# Altium PCB PCB SOM AM625.PcbDoc (part 4 of 6)
Units mm, origin at the board's own origin, x right, y up, seen from the top; angles counter-clockwise.
Board outline 92 x 91 mm, 6 copper layers (Top Layer, Layer 1, Layer 3, Layer 4, Layer 2, Bottom Layer), stack 1.56 mm thick; 480 components, 371 nets, 1721 pads, 738 vias.
Unrouted connection lines stored in the file: 13.
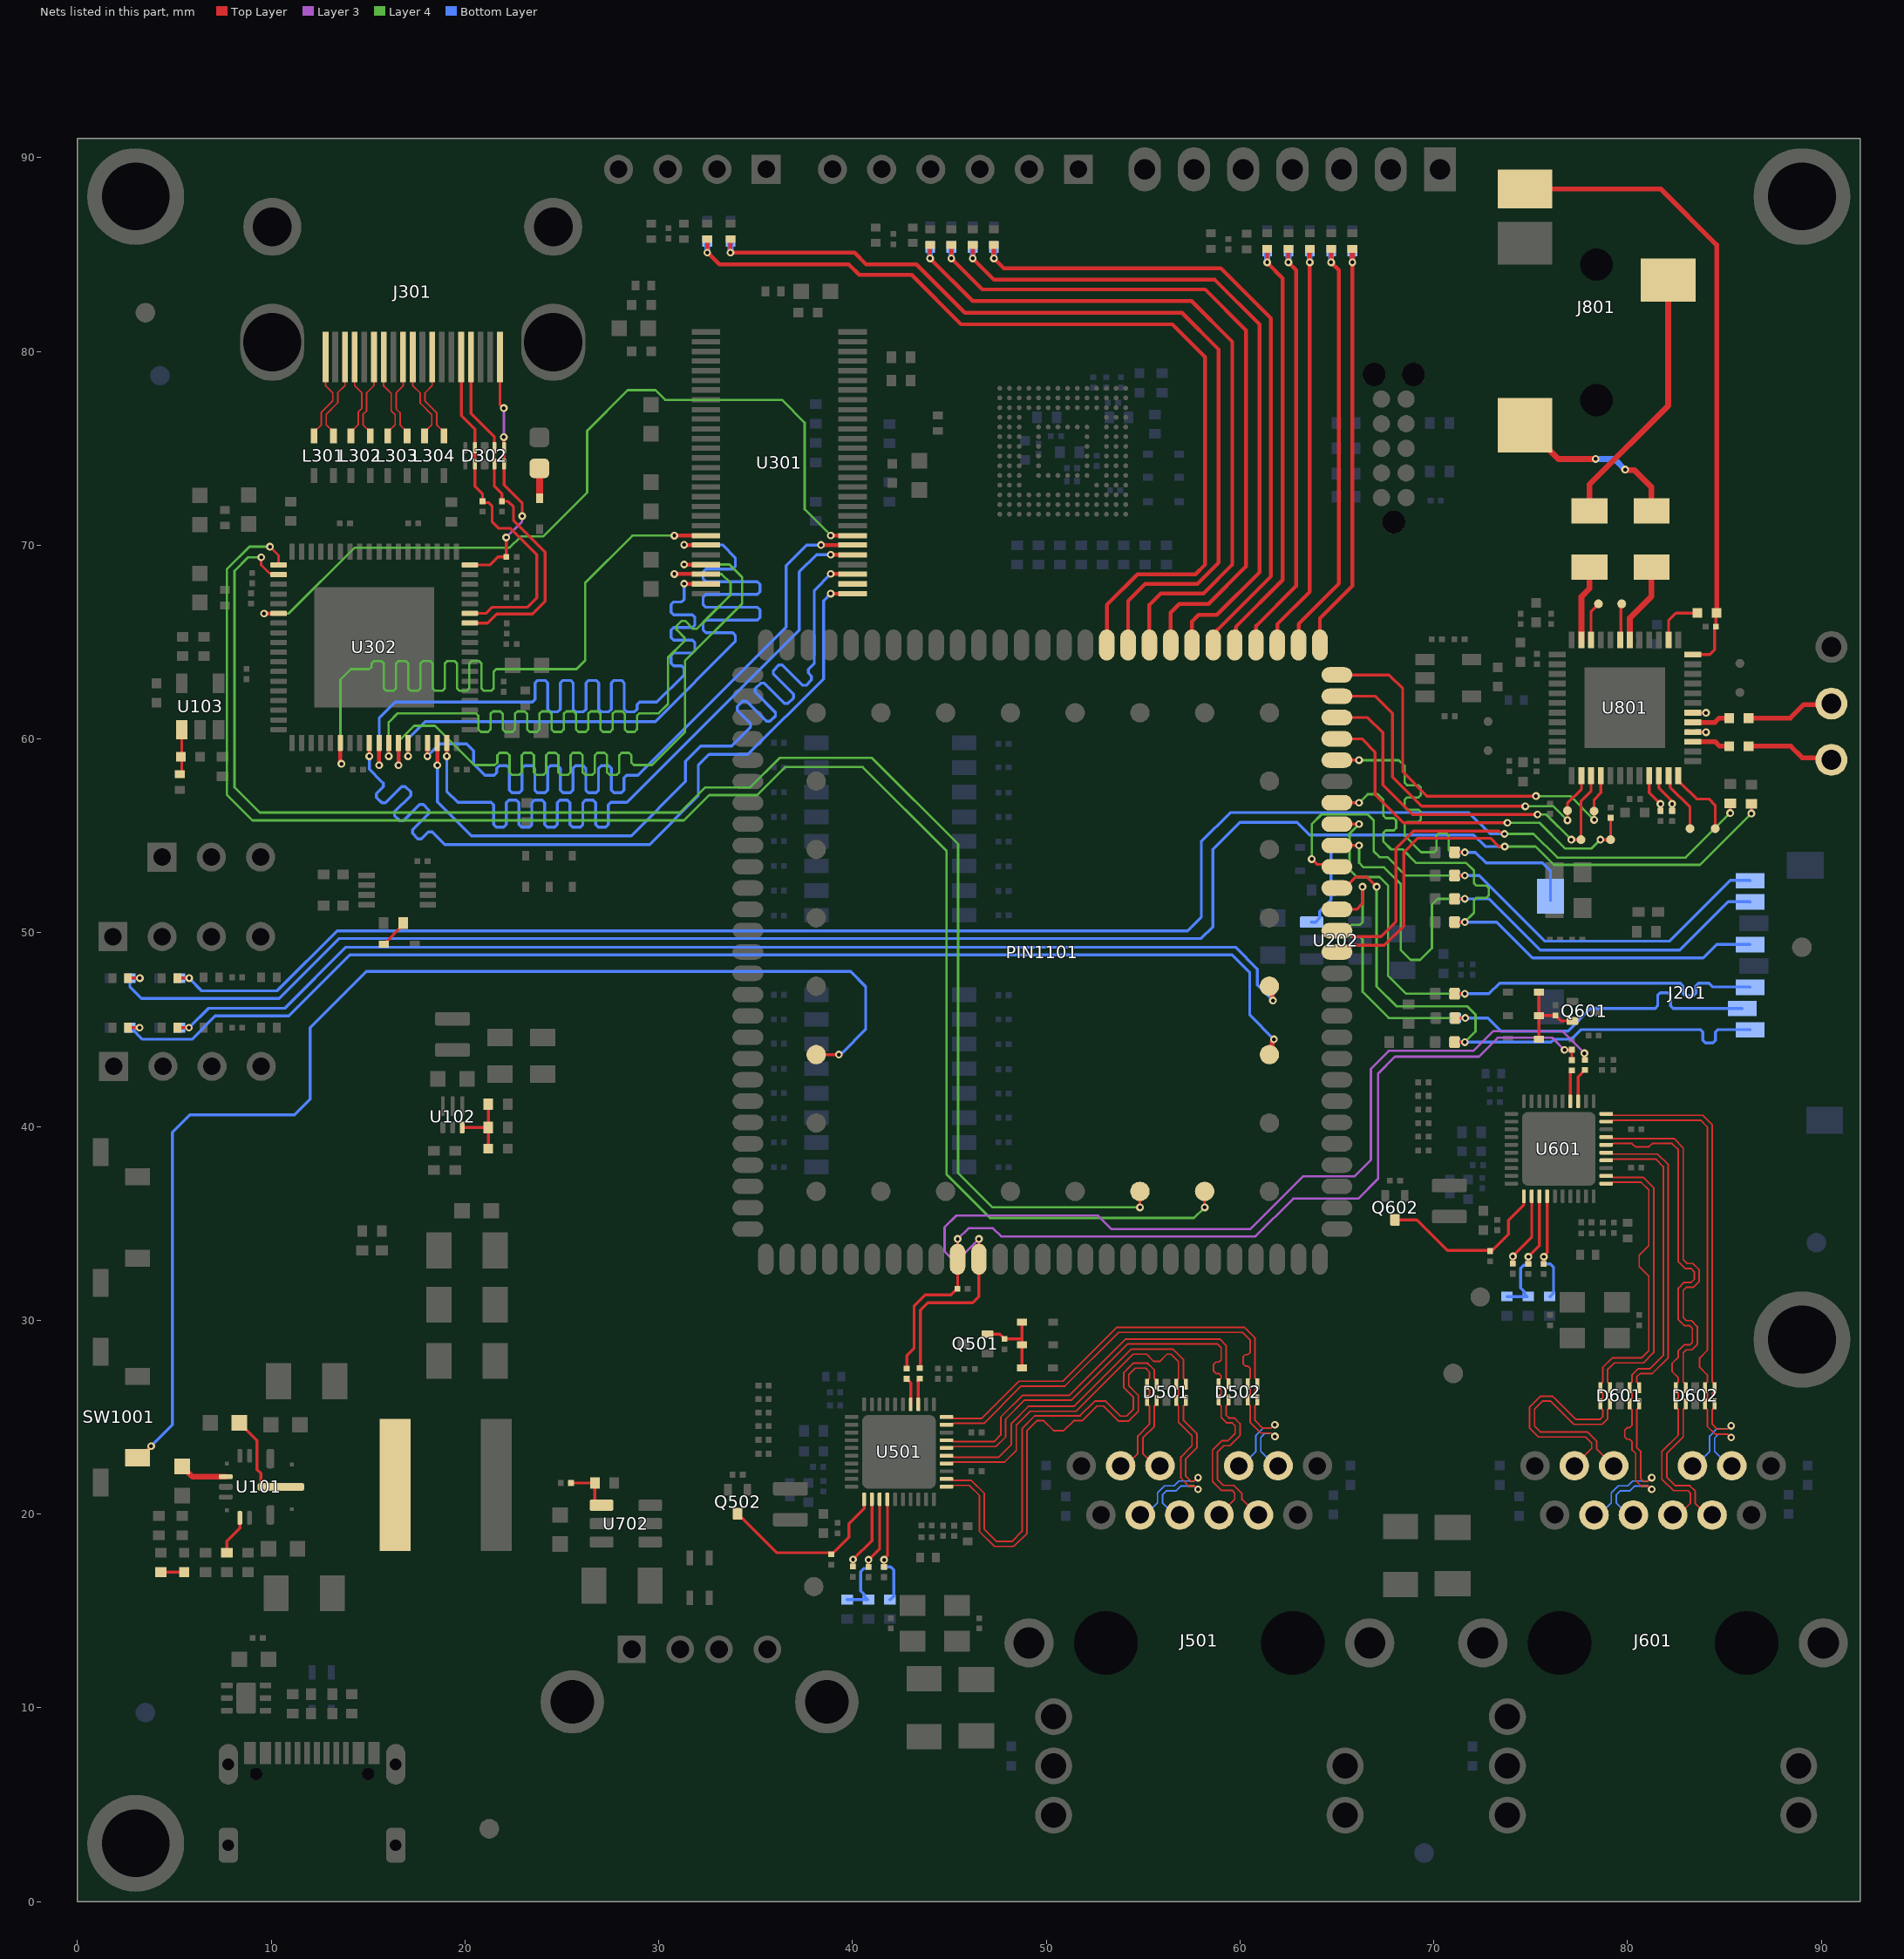
[diagram p8: the nets of this part, all layers, seen from the top]

## Via types
v1: diameter 0.4, hole 0.2, Top Layer to Bottom Layer, tented both sides, 695 vias
v2: diameter 0.8, hole 0.4, Top Layer to Bottom Layer, tented both sides, 40 vias
v3: diameter 0.6, hole 0.3, Top Layer to Bottom Layer, tented both sides, 3 vias

## Nets (pads, with @x,y where several pads share a name; then routed paths per layer and width w, separated by ;. In a path a pad name is that pad's centre, name@x,y a point inside that pad or via, vN(x,y) a via of type N, cw(c..) or ccw(c..) an arc to the next point about the centre after c; other vN are vias at no path point) (continued)
HDMI_D17: U301.50 U302.24 | length 43.5
  Top Layer w0.2: U302.24@13.56,59.796 13.56,58.83 13.616,58.775 v1(13.616,58.721) ; v1(30.801,70.494) 30.802,70.495 U301.50@32.431,70.495 U301.50@32.432,70.496
  Layer 4 w0.122: v1(13.616,58.721) 13.566,58.77 13.566,63.066 14.1,63.6 14.989,63.6 15.05,63.6 15.176,63.726 15.176,63.895 15.302,64.021 15.68,64.021 15.806,63.895 15.806,62.614 15.932,62.488 16.31,62.488 16.436,62.614 16.436,63.895 16.562,64.021 16.94,64.021 17.066,63.895 17.066,62.614 17.192,62.488 17.57,62.488 17.696,62.614 17.696,63.895 17.822,64.021 18.2,64.021 18.326,63.895 18.326,62.614 18.452,62.488 18.83,62.488 18.956,62.614 18.956,63.895 19.082,64.021 19.46,64.021 19.586,63.895 19.586,62.614 19.712,62.488 20.09,62.488 20.216,62.614 20.216,63.895 20.342,64.021 20.72,64.021 20.846,63.895 20.846,62.614 20.972,62.488 21.35,62.488 21.475,62.614 21.475,63.474 21.601,63.6 21.93,63.6 25.75,63.6 26.2,64.05 26.2,68.05 28.644,70.494 v1(30.801,70.494)
HDMI_D18: U301.51 U302.31 | length 43.1
  Top Layer w0.15: v1(17.055,59.111) 17.06,59.116 U302.31@17.06,59.796 U302.31@17.065,59.801
  Top Layer w0.2: v1(31.307,70.02) 31.315,70.012 U301.51@32.431,70.012 U301.51@32.438,70.005
  Bottom Layer w0.15: v1(17.055,59.111) 17.055,60.006 17.95,60.9 29.825,60.9 33.95,65.025 33.95,65.275 33.95,65.35 33.818,65.482 32.421,65.482 32.289,65.613 32.289,66.008 32.421,66.14 35.086,66.14 35.217,66.271 35.217,66.666 35.086,66.798 32.421,66.798 32.289,66.929 32.289,67.324 32.421,67.456 35.086,67.456 35.217,67.587 35.217,67.982 35.086,68.114 32.421,68.114 32.289,68.245 32.289,68.64 32.421,68.772 33.818,68.772 33.95,68.903 33.95,69.05 33.95,69.35 33.28,70.02 v1(31.307,70.02)
HDMI_D19: U301.53 U302.30 | length 43.5
  Top Layer w0.2: U302.30@16.56,59.796 16.563,59.793 16.563,58.648 v1(16.566,58.645) ; v1(31.307,69.004) 31.315,68.996 U301.53@32.431,68.996 U301.53@32.438,68.989
  Layer 4 w0.122: v1(16.566,58.645) 16.566,59.866 17.375,60.675 18.45,60.675 20.475,58.65 21.475,58.65 21.536,58.65 21.662,58.776 21.662,59.157 21.788,59.283 22.166,59.283 22.292,59.157 22.292,58.276 22.418,58.15 22.796,58.15 22.922,58.276 22.922,59.157 23.048,59.283 23.426,59.283 23.552,59.157 23.552,58.276 23.678,58.15 24.056,58.15 24.182,58.276 24.182,59.157 24.308,59.283 24.686,59.283 24.812,59.157 24.812,58.276 24.938,58.15 25.315,58.15 25.441,58.276 25.441,59.157 25.567,59.283 25.945,59.283 26.071,59.157 26.071,58.276 26.197,58.15 26.575,58.15 26.701,58.276 26.701,59.157 26.827,59.283 27.205,59.283 27.331,59.157 27.331,58.276 27.457,58.15 27.835,58.15 27.961,58.276 27.961,59.157 28.087,59.283 28.465,59.283 28.591,59.157 28.591,58.776 28.717,58.65 29.075,58.65 29.65,58.65 31.35,60.35 31.35,64.025 34.3,66.975 34.3,68.35 33.646,69.004 v1(31.307,69.004)
HDMI_D20: U301.54 U302.29 | length 43.5
  Top Layer w0.15: v1(16.055,59.111) 16.06,59.116 U302.29@16.06,59.796
  Top Layer w0.2: v1(30.801,68.512) 30.802,68.514 U301.54@32.431,68.514
  Layer 4 w0.122: v1(16.055,59.111) 16.055,60.856 16.525,61.325 19.865,61.325 20.556,61.325 20.682,61.199 20.682,60.493 20.808,60.367 21.186,60.367 21.312,60.493 21.312,61.298 21.438,61.424 21.816,61.424 21.942,61.298 21.942,60.493 22.068,60.367 22.446,60.367 22.572,60.493 22.572,61.298 22.698,61.424 23.076,61.424 23.202,61.298 23.202,60.493 23.328,60.367 23.705,60.367 23.831,60.493 23.831,61.298 23.957,61.424 24.335,61.424 24.461,61.298 24.461,60.493 24.587,60.367 24.965,60.367 25.091,60.493 25.091,61.298 25.217,61.424 25.595,61.424 25.721,61.298 25.721,60.493 25.847,60.367 26.225,60.367 26.351,60.493 26.351,61.298 26.477,61.424 26.855,61.424 26.981,61.298 26.981,60.493 27.107,60.367 27.485,60.367 27.611,60.493 27.611,61.298 27.737,61.424 28.115,61.424 28.241,61.298 28.241,60.493 28.367,60.367 28.745,60.367 28.871,60.493 28.871,61.199 28.997,61.325 29.889,61.325 30,61.325 30.475,61.8 30.475,64.2 31.287,65.013 31.331,65.056 31.331,65.234 30.918,65.647 30.918,65.825 31.185,66.092 31.363,66.092 31.776,65.679 31.954,65.679 32.612,66.338 33.7,67.425 33.7,68.05 33.238,68.512 v1(30.801,68.512)
HDMI_D21: U301.55 U302.28 | length 43
  Top Layer w0.2: U302.28@15.56,59.796 15.563,59.793 15.563,58.648 v1(15.566,58.645) ; v1(31.307,68.013) 31.315,68.006 U301.55@32.431,68.006 U301.55@32.438,67.998
  Bottom Layer w0.15: v1(15.566,58.645) 15.566,61.075 16.391,61.9 23.4,61.9 23.475,61.9 23.607,62.032 23.607,62.888 23.738,63.019 24.133,63.019 24.265,62.888 24.265,61.532 24.396,61.4 24.791,61.4 24.923,61.532 24.923,62.888 25.054,63.019 25.449,63.019 25.581,62.888 25.581,61.532 25.712,61.4 26.107,61.4 26.239,61.532 26.239,62.888 26.37,63.019 26.765,63.019 26.897,62.888 26.897,61.532 27.028,61.4 27.423,61.4 27.555,61.532 27.555,62.888 27.686,63.019 28.081,63.019 28.213,62.888 28.213,61.532 28.344,61.4 28.739,61.4 28.871,61.532 28.871,61.768 29.002,61.9 29.562,61.9 29.9,61.9 31.307,63.307 31.307,63.573 31.307,63.648 31.176,63.779 30.757,63.779 30.625,63.911 30.625,64.306 30.757,64.437 31.728,64.437 31.859,64.569 31.859,64.964 31.728,65.095 30.757,65.095 30.625,65.227 30.625,65.622 30.757,65.753 31.728,65.753 31.859,65.885 31.859,66.28 31.728,66.411 30.757,66.411 30.625,66.543 30.625,66.938 30.757,67.069 31.176,67.069 31.307,67.201 31.307,67.3 v1(31.307,68.013)
HDMI_D22: U301.1 U302.27 | length 43
  Top Layer w0.15: v1(15.055,59.111) 15.06,59.116 U302.27@15.06,59.796 U302.27@15.065,59.801
  Top Layer w0.2: v1(38.876,67.505) 38.884,67.498 U301.1@40,67.498 U301.1@40.007,67.49
  Bottom Layer w0.15: v1(15.055,59.111) 15.055,58.444 15.68,57.82 15.784,57.716 15.784,57.53 15.425,57.17 15.425,56.984 15.704,56.705 15.89,56.705 16.729,57.544 16.915,57.544 17.195,57.265 17.195,57.079 16.356,56.24 16.356,56.054 16.635,55.775 16.821,55.775 17.66,56.614 17.846,56.614 18.125,56.334 18.125,56.148 17.286,55.309 17.286,55.123 17.565,54.844 17.751,54.844 18.111,55.203 18.297,55.203 18.35,55.15 18.95,54.55 29.525,54.55 32.037,57.062 32.037,58.638 32.6,59.2 34.6,59.2 38.5,63.1 38.5,67.128 v1(38.876,67.505)
HDMI_D23: U301.2
HDMI_D24: U301.3 U302.34 | length 43
  Top Layer w0.2: U302.34@18.56,59.796 18.563,59.793 18.563,58.648 v1(18.566,58.645) ; v1(38.876,68.521) 38.884,68.514 U301.3@40,68.514 U301.3@40.007,68.506
  Bottom Layer w0.15: v1(18.566,58.645) 18.566,56.759 20.325,55 28.575,55 31.375,57.8 31.375,58.85 32.162,59.638 33.762,59.638 34.375,60.25 34.737,60.612 34.737,60.798 34.049,61.485 34.049,61.671 34.328,61.95 34.514,61.95 35.555,60.909 35.742,60.909 36.021,61.189 36.021,61.375 34.98,62.416 34.98,62.602 35.259,62.881 35.445,62.881 36.486,61.84 36.672,61.84 36.951,62.119 36.951,62.305 35.91,63.346 35.91,63.532 36.189,63.812 36.375,63.812 37.417,62.771 37.603,62.771 37.882,63.05 37.882,63.236 37.714,63.403 37.714,63.589 37.767,63.642 38.025,63.9 38.025,67.669 v1(38.876,68.521)
HDMI_D25: U301.5 U302.35 | length 43
  Top Layer w0.15: v1(19.055,59.111) 19.06,59.116 U302.35@19.06,59.796 U302.35@19.065,59.801
  Top Layer w0.2: v1(38.876,69.512) 38.884,69.504 U301.5@40,69.504 U301.5@40.007,69.497
  Bottom Layer w0.15: v1(19.055,59.111) 19.055,57.295 19.625,56.725 20.696,56.725 21.34,56.725 21.471,56.593 21.471,55.576 21.603,55.444 21.998,55.444 22.129,55.576 22.129,56.716 22.261,56.847 22.656,56.847 22.787,56.716 22.787,55.576 22.919,55.444 23.314,55.444 23.445,55.576 23.445,56.716 23.577,56.847 23.972,56.847 24.103,56.716 24.103,55.576 24.235,55.444 24.63,55.444 24.761,55.576 24.761,56.716 24.893,56.847 25.288,56.847 25.419,56.716 25.419,55.576 25.551,55.444 25.946,55.444 26.077,55.576 26.077,56.716 26.209,56.847 26.604,56.847 26.735,56.716 26.735,55.576 26.867,55.444 27.262,55.444 27.393,55.576 27.393,56.593 27.525,56.725 27.6,56.725 28.35,56.725 37.25,65.625 37.25,68.625 38.136,69.512 v1(38.876,69.512)
HDMI_D26: U301.6 U302.33 | length 43
  Top Layer w0.15: v1(18.055,59.111) 18.06,59.116 U302.33@18.06,59.796
  Top Layer w0.2: v1(38.37,70.011) 38.372,70.012 U301.6@40,70.012 U301.6@40.001,70.013
  Bottom Layer w0.15: v1(18.055,59.111) 18.695,59.75 20.075,59.75 20.437,59.388 20.437,58.713 21.025,58.125 21.419,58.125 21.494,58.125 21.626,58.257 21.626,58.488 21.757,58.619 22.152,58.619 22.284,58.488 22.284,57.36 22.415,57.229 22.81,57.229 22.942,57.36 22.942,58.488 23.073,58.619 23.468,58.619 23.6,58.488 23.6,57.36 23.731,57.229 24.126,57.229 24.258,57.36 24.258,58.488 24.389,58.619 24.784,58.619 24.916,58.488 24.916,57.36 25.047,57.229 25.442,57.229 25.574,57.36 25.574,58.488 25.705,58.619 26.1,58.619 26.232,58.488 26.232,57.36 26.363,57.229 26.758,57.229 26.89,57.36 26.89,58.488 27.021,58.619 27.416,58.619 27.548,58.488 27.548,57.36 27.679,57.229 28.074,57.229 28.206,57.36 28.206,57.993 28.337,58.125 28.437,58.125 28.925,58.125 36.575,65.775 36.575,68.95 37.636,70.011 v1(38.37,70.011)
HDMI_D27: U301.7 U302.6 | length 43.5
  Top Layer w0.2: v1(9.625,66.475) 9.628,66.478 10.373,66.478 U302.6@10.375,66.481 ; v1(38.876,70.502) 38.884,70.495 U301.7@40,70.495 U301.7@40.007,70.488
  Layer 4 w0.122: v1(9.625,66.475) 10.9,66.475 14.3,69.875 22.3,69.875 22.875,70.45 24.025,70.45 26.3,72.725 26.3,75.9 28.4,78 29.825,78 30.325,77.5 36.35,77.5 37.525,76.325 37.525,71.854 v1(38.876,70.502)
HDMI_DSCL: D302.2 D302.9 J301.15 R309.1 U302.49 | length 18.3
  Top Layer w0.15: J301.15@19.8,79.715 19.81,79.705 19.81,76.69 20.51,75.99 D302.9@20.51,75.033 D302.2@20.51,74.198 20.51,73.039 20.9,72.65 R309.1@20.9,72.265 20.965,72.2 21.2,72.2 21.4,72 21.4,71.2 21.725,70.875 22.34,70.875 23.707,69.507 23.707,67.282 23.225,66.8 21.4,66.8 21.081,66.481 U302.49@20.245,66.481
HDMI_DSDA: D302.4 D302.7 J301.16 R308.1 U302.48 | length 18.7
  Top Layer w0.15: U302.48@20.245,65.981 21.156,65.981 21.625,66.45 23.475,66.45 24.125,67.1 24.125,69.641 22.5,71.266 22.5,71.975 22.21,72.265 R308.1@21.9,72.265 21.9,72.65 21.51,73.04 D302.4@21.51,74.198 D302.7@21.51,75.033 21.51,75.59 20.31,76.79 20.31,79.705 J301.16@20.3,79.715
HDMI_HPD: D302.5 D302.6 J301.19 R311.2 U302.54 | length 13.2
  Top Layer w0.15: U302.54@20.245,68.981 21.281,68.981 21.7,69.4 R311.2@22.135,69.4 22.13,69.405 22.13,70.395 v1(22.125,70.4) ; J301.19@21.8,79.715 21.8,77.275 v1(22,77.075) ; v1(22,75.575) 22.005,75.57 22.005,75.038 D302.6@22.01,75.033 D302.5@22.01,74.198 22.01,73.115 22.95,72.175 v1(22.95,71.5)
  Layer 3 w0.122: v1(22,75.575) v1(22,77.075) ; v1(22.125,70.4) 22.939,71.214 22.939,71.489 v1(22.95,71.5)
HDMI_TX0_N: J301.9 L303.3 | length 4.5
  Top Layer w0.084: J301.9@16.8,79.715 16.8,78.219 16.439,77.859 16.439,77.037 16.644,76.833 16.644,76.208 16.873,75.979 16.878,75.979 17.01,75.846 L303.3@17.01,75.643
HDMI_TX0_P: J301.7 L303.2 | length 4.5
  Top Layer w0.084: J301.7@15.8,79.715 15.8,78.213 16.185,77.828 16.185,76.931 16.39,76.727 16.39,76.225 16.01,75.846 L303.2@16.01,75.643
HDMI_TX1_N: J301.6 L302.3 | length 4.5
  Top Layer w0.084: L302.3@15.11,75.643 15.11,75.846 14.735,76.221 14.735,76.756 14.918,76.939 14.918,77.868 15.3,78.249 J301.6@15.3,79.715
HDMI_TX1_P: J301.4 L302.2 | length 4.5
  Top Layer w0.084: L302.2@14.11,75.643 14.11,75.846 14.481,76.217 14.481,76.862 14.664,77.045 14.664,77.878 14.3,78.243 J301.4@14.3,79.715
HDMI_TX2_N: J301.3 L301.3 | length 4.6
  Top Layer w0.084: L301.3@13.21,75.643 13.21,75.846 12.836,76.22 12.836,76.758 13.429,77.351 13.429,77.868 13.8,78.239 J301.3@13.8,79.715
HDMI_TX2_P: J301.1 L301.2 | length 4.6
  Top Layer w0.084: L301.2@12.21,75.643 12.21,75.846 12.582,76.217 12.582,76.864 13.175,77.457 13.175,77.866 12.8,78.241 J301.1@12.8,79.715
HDMI_TXC_N: J301.12 L304.3 | length 4.6
  Top Layer w0.084: J301.12@18.3,79.715 18.3,78.23 17.939,77.869 17.939,77.438 18.535,76.841 18.535,76.221 18.91,75.846 L304.3@18.91,75.643
HDMI_TXC_P: J301.10 L304.2 | length 4.6
  Top Layer w0.084: J301.10@17.3,79.715 17.3,78.237 17.685,77.852 17.685,77.333 18.281,76.736 18.281,76.217 17.91,75.846 L304.2@17.91,75.643
HPLCOM: TP806.1 U801.19 | length 1.9
  Top Layer w0.15: U801.19@79.619,65.107 79.659,65.147 79.659,66.934 TP806.1@79.7,66.975
HPLOUT: C815.2 J801.2 | length 9.1
  Top Layer w0.3: J801.2@74.7,76.185 76.435,74.45 v1(78.35,74.45) ; v1(79.875,73.9) 79.894,73.881 80.344,73.881 81.237,72.988 C815.2@81.237,71.763
  Bottom Layer w0.3: v1(78.35,74.45) 79.325,74.45 v1(79.875,73.9)
HPLOUT_C: C815.1 U801.18 | length 4.2
  Top Layer w0.3: U801.18@80.119,65.107 80.119,66.244 81.237,67.362 C815.1@81.237,68.863
HPRCOM: TP808.1 U801.22 | length 2
  Top Layer w0.15: U801.22@78.119,65.107 78.119,66.594 TP808.1@78.5,66.975
HPROUT: C816.2 J801.3 | length 13.6
  Top Layer w0.3: C816.2@78.037,71.763 78.037,73.137 82.1,77.2 J801.3@82.1,83.685
HPROUT_C: C816.1 U801.23 | length 3.9
  Top Layer w0.3: U801.23@77.619,65.107 77.619,67.344 78.037,67.762 C816.1@78.037,68.863
I2C1_SCL: D901.2 FB901.2 PIN1101.95 R805.1 | length 107.7
  Top Layer w0.15: FB901.2@2.6,47.66 v1(3.21,47.66) ; PIN1101.95@65,49.006 65.469,49.006 65.813,49.35 67.45,49.35 68.45,50.35 68.45,54.15 69.175,54.875 72.925,54.875 73.356,54.444 73.674,54.444 v1@73.692,54.425 ; v1(86.393,56.15) R805.1@86.393,56.65
  Layer 4 w0.122: v1(73.662,54.448) 75.252,54.448 76.2,53.5 83.743,53.5 v1(86.393,56.15)
  Bottom Layer w0.15: v1(3.21,47.66) D901.2@2.7,47.66 2.7,47.2 3.3,46.6 10.4,46.6 13.5,49.7 58,49.7 58.6,50.3 58.6,54.3 60,55.7 62.95,55.7 63.6,55.05 72.05,55.05 72.652,54.448 v1(73.662,54.448)
I2C1_SDA: D902.2 FB902.2 PIN1101.94 R806.1 | length 102.8
  Top Layer w0.15: FB902.2@5.15,47.66 v1(5.76,47.66) ; PIN1101.94@65,50.106 65.507,50.106 65.813,49.8 67.275,49.8 68.05,50.575 68.05,54.35 68.95,55.25 73.362,55.25 73.464,55.148 73.602,55.148 v1(73.65,55.1) ; v1(85.3,56.175) R806.1@85.3,56.675
  Layer 4 w0.122: v1(73.65,55.1) 75.15,55.1 76.375,53.875 83,53.875 v1(85.3,56.175)
  Bottom Layer w0.15: D902.2@5.25,47.66 v1(5.76,47.66) ; v1@5.74,47.66 6.4,47 10.3,47 13.4,50.1 57.3,50.1 58,50.8 58,54.7 59.5,56.2 71.8,56.2 72.9,55.1 v1(73.65,55.1)
I2C2_SCL: PIN1101.131 U302.1 | length 88.1
  Top Layer w0.122: v1(9.925,69.925) 10.375,69.474 U302.1@10.375,68.981 ; v1(58.173,35.827) PIN1101.131@58.173,36.65
  Layer 4 w0.122: v1(9.925,69.925) 8.875,69.925 7.7,68.75 7.7,57.125 9.025,55.8 31.3,55.8 32.6,57.1 35.075,57.1 36.525,58.55 40.525,58.55 44.85,54.225 44.85,37.525 47.1,35.275 57.621,35.275 v1(58.173,35.827)
I2C2_SDA: PIN1101.132 U302.2 | length 83.2
  Top Layer w0.122: v1(9.475,69.375) 9.475,68.975 9.895,68.555 10.301,68.555 U302.2@10.375,68.481 ; v1(54.831,35.827) PIN1101.132@54.831,36.65
  Layer 4 w0.122: v1(9.475,69.375) 8.8,69.375 8.1,68.675 8.1,57.5 9.4,56.2 31.1,56.2 32.4,57.5 34.725,57.5 36.25,59.025 41,59.025 45.45,54.575 45.45,37.6 47.223,35.827 v1(54.831,35.827)
INTB_1: Q502.3 R521.1 U501.31 | length 9.2
  Top Layer w0.15: Q502.3@34.07,20.01 34.07,19.96 34.245,19.785 34.295,19.785 36.08,18 39.025,18 39.812,18.788 39.812,19.488 40.6,20.275 U501.31@40.6,20.75
INTB_2: Q602.3 R621.1 U601.31 | length 9.2
  Top Layer w0.15: Q602.3@68,35.18 69.12,35.18 70.7,33.6 71.8,33.6 73.025,33.6 73.85,34.425 73.85,35.15 74.65,35.95 U601.31@74.65,36.4
LED0/CFG_EXT_1: R526.2 R527.1 U501.32 | length 4.2
  Top Layer w0.15: R527.1@40.025,17.28 v1(40.025,17.65) 41,18.625 U501.32@41,20.75
  Bottom Layer w0.15: R526.2@40.025,17.28 v1(40.025,17.65)
LED0/CFG_EXT_2: R626.2 R627.1 U601.32 | length 4.2
  Top Layer w0.15: R627.1@74.08,32.925 74.08,33.305 75.055,34.28 U601.32@75.055,36.395
  Bottom Layer w0.15: R626.2@74.08,32.925 v1(74.08,33.295)
LED1/CFG_LDO0_1: R506.1 R507.1 R528.2 R529.1 U501.33 | length 7.2
  Top Layer w0.15: R529.1@40.825,17.262 v1(40.825,17.632) 41.4,18.207 U501.33@41.4,20.75
  Bottom Layer w0.15: R507.1@39.725,15.575 40.775,15.575 R506.1@40.6,15.75 ; R506.1@40.6,15.8 40.6,15.85 40.425,16.025 40.425,17.03 40.582,17.187 40.75,17.187 40.825,17.262 v1(40.825,17.632)
LED1/CFG_LDO0_2: R606.1 R607.1 R628.2 R629.1 U601.33 | length 7.2
  Top Layer w0.15: R629.1@74.88,32.907 v1(74.88,33.277) 75.455,33.852 U601.33@75.455,36.395
  Bottom Layer w0.15: R607.1@73.78,31.22 74.83,31.22 R606.1@74.655,31.395 ; R606.1@74.655,31.445 74.655,31.495 74.48,31.67 74.48,32.675 74.637,32.832 74.805,32.832 74.88,32.907 v1(74.88,33.277)
LED2/CFG_LDO1_1: R508.1 R530.2 R531.1 U501.34 | length 6.1
  Top Layer w0.15: R531.1@41.625,17.262 41.625,17.669 41.8,17.844 U501.34@41.8,20.75
  Bottom Layer w0.15: v1(41.625,17.632) 41.625,17.262 41.963,17.262 42.125,17.1 R508.1@42.125,15.8 ; R508.1@41.925,15.575 41.95,15.575 R508.1@42.125,15.75
LED2/CFG_LDO1_2: R608.1 R630.2 R631.1 U601.34 | length 6.1
  Top Layer w0.15: R631.1@75.68,32.907 75.68,33.314 75.855,33.489 U601.34@75.855,36.395
  Bottom Layer w0.15: v1(75.68,33.277) 75.68,32.907 76.018,32.907 76.18,32.745 R608.1@76.18,31.445 ; R608.1@75.98,31.22 76.005,31.22 R608.1@76.18,31.395
LM61460_RT: R105.2 U101.6 | length 2.1
  Top Layer w0.15: R105.2@7.6,18 7.7,18.1 7.7,18.6 8.375,19.275 U101.6@8.375,19.8
LM61460_SW: C110.2 L101.1 U101.10 | length 4.7
  Top Layer w0.15: C110.2@8.35,24.7 9.263,23.787 9.263,22.287 9.453,22.097 9.453,21.543 9.596,21.4 U101.10@10.5,21.4
LM61460_VCC: C101.1 U101.2 | length 2.5
  Top Layer w0.3: C101.1@5.4,22.45 5.925,21.925 U101.2@7.65,21.925
MCASP0_ACLKX: PIN1101.83 TP811.1 U801.38 | length 19.1
  Top Layer w0.15: PIN1101.83@65,62.206 66.994,62.206 67.875,61.325 67.875,58.025 69.375,56.525 v1(74.725,56.525) ; v1(76.9,55.8) TP811.1@76.9,56.3 76.9,56.675 77.619,57.394 U801.38@77.619,58.106
  Layer 4 w0.122: v1(74.725,56.525) 76.175,56.525 v1(76.9,55.8)
MCASP0_AFSX: PIN1101.84 TP810.1 U801.39 | length 20.3